# Altium PCB StratoChovy.PcbDoc (part 2 of 2)
Units mil, origin at the board's own origin, x right, y up, seen from the top; angles counter-clockwise.
Board outline 2600 x 7150 mil, 4 copper layers (Top Layer, Plane (GND), Plane (3V3), Bottom Layer), stack 53.912 mil thick; 152 components, 118 nets, 695 pads, 228 vias.
Unrouted connection lines stored in the file: 53.
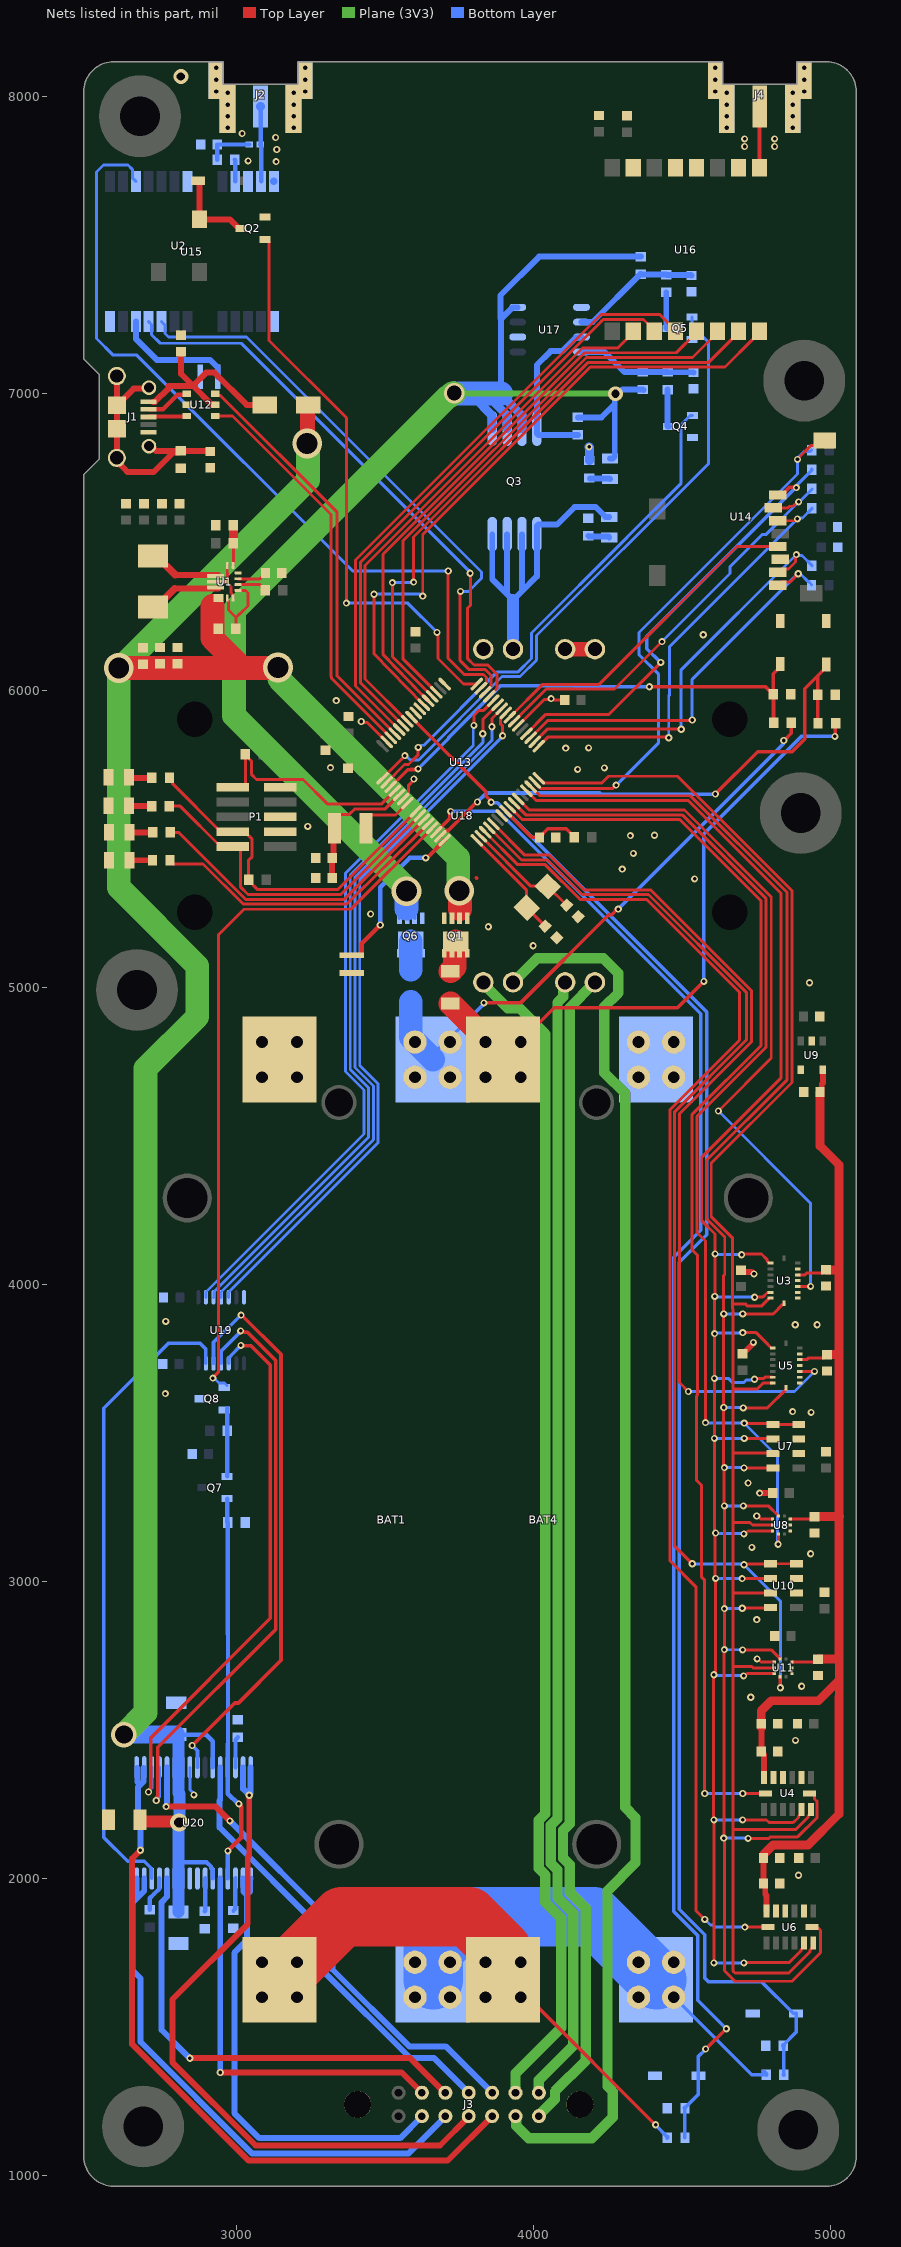
[diagram p4: the nets of this part, all layers, seen from the top]

## Via types
v1: diameter 24, hole 12, Top Layer to Bottom Layer, 184 vias
v2: diameter 27, hole 15, Top Layer to Bottom Layer, 28 vias
v3: diameter 100, hole 70, Top Layer to Bottom Layer, 7 vias
v4: diameter 32, hole 20, Top Layer to Bottom Layer, 3 vias
v5: diameter 50, hole 28, Top Layer to Bottom Layer, 3 vias
v6: diameter 60, hole 35, Top Layer to Bottom Layer, 1 vias
v7: diameter 85, hole 60, Top Layer to Bottom Layer, 1 vias
v8: diameter 70, hole 50, Top Layer to Bottom Layer, 1 vias

## Nets (pads, with @x,y where several pads share a name; then routed paths per layer and width w, separated by ;. In a path a pad name is that pad's centre, name@x,y a point inside that pad or via, vN(x,y) a via of type N, cw(c..) or ccw(c..) an arc to the next point about the centre after c; other vN are vias at no path point) (continued)
ADXL_1_CS: U4.7 U13.9 | length 4300.8
  Top Layer w10: U13.9@3919.42,5606.28 3960.7,5565 4491.16,5565 4765,5291.16 4765,4804.82 4533,4572.82 4533,4116.46 4550,4099.46 4550,3627.57 4547.75,3625.32 4547.75,3341.05 4564.94,3323.86 4564.94,3015.13 4575,3005.07 v1(4575,2287) ; v1(4703,2287) U4.7@4780.15,2287
  Bottom Layer w10: v1(4575,2287) v1(4703,2287)
ADXL_2_CS: U6.7 U13.3 | length 4569.2
  Top Layer w10: U13.3@3835.9,5522.76 3945.66,5413 4038.51,5413 4154.98,5296.53 4379.19,5296.53 4691.89,4983.83 4691.89,4822.22 4458,4588.33 4458,3070.1 4545,2983.1 4545,1893 v1(4575,1863) ; v1(4710,1837.03) U6.7@4788.09,1837.03
  Bottom Layer w10: v1(4575,1863) 4575.93,1863 4594.56,1844.37 4601.63,1844.37 4608.97,1837.03 v1(4710,1837.03)
ANT: J4.S1 U16.1 | length 206.9
  Top Layer w14.4: U16.1@4759.76,7759.02 J4.S1@4759.76,7965.85
ARM1: Q7.2 R32.2 U20.13 U20.20 | length 1317.6
  Top Layer w15: v1(2970.3,2094) 3015,2138.7 3015,2241.56 3007,2249.56 v1(3007,2252)
  Bottom Layer w15: Q7.2@2967.26,3279.2 2968.49,3277.97 2968.49,3200.23 R32.2@2969.72,3199 ; U20.20@2970.16,2000.99 2970.23,2001.06 2970.23,2093.93 v1(2970.3,2094) ; R32.2@2970.16,3198.56 2970.16,2822.23 2970.5,2821.89 2970.5,2455.34 2970.16,2455 U20.13@2970.16,2375.01 2970.16,2286.41 3004.56,2252 v1(3007,2252)
ARM_SQUIB: Q8.1 U13.61 | length 2425.6
  Top Layer w10: v1(2919.53,3685) 2919.53,3686.24 2938,3704.71 2938,5176.33 3024.67,5263 3384.05,5263 U13.61@3657.73,5536.68
  Bottom Layer w10: v1(2919.53,3685) 2923.32,3685 2940.14,3668.18 2958.51,3668.18 Q8.1@2966.77,3659.92
BAT_SNS_A: D2.2 R7.1 R8.2 U13.62 | length 5165.8
  Top Layer w12: U13.62@3671.65,5522.76 3717.7,5568.81 3717.7,5590.06 v1(3720,5592.36) ; v1@4579,1427 v1@4647,1495
  Top Layer w15: v1(4578,1427) v1@4579,1427 ; v1@4647,1495 v1(4648,1495)
  Bottom Layer w12: v1(3720,5592.36) 3880.64,5592.36 4562,4911 4562,4183 4471,4092 4471,1890 4551.81,1809.19 4551.81,1591.19 v1(4648,1495) ; R7.1@4508.53,1129 R8.2@4508.53,1227 ; R8.2@4508.53,1228.97 4553.89,1274.33 D2.2@4553.89,1337 4553.89,1402.32 v1@4578,1426.42
  Bottom Layer w15: R8.2@4508.53,1227 R8.2@4508.53,1228.97 ; v1@4578,1426.42 v1(4578,1427)
BAT_SNS_B: D1.2 R5.1 R6.2 U13.63 | length 1828.6
  Top Layer w10: U13.63@3670.26,5493.53 U13.63@3685.57,5508.84
  Top Layer w12: U13.63@3685.57,5508.84 3685.71,5508.84 3705,5528.14 3711.98,5528.14 3807.84,5624 v1(3810,5624) ; v1(4611,5651) 4753,5793 4869,5793 4912,5836 4912,6005.37 4955.43,6048.8 ; R5.1@4956.43,5889 4955.93,5889.5 4955.93,5984.5 R6.2@4955.43,5985 4955.43,6048.8 ; D1.2@4983.95,6087.17 4983.95,6077.32 4955.43,6048.8
  Bottom Layer w12: v1(3810,5624) 3840.36,5654.36 4222.12,5654.36 4226.77,5649.71 4609.71,5649.71 v1(4611,5651)
BMP_1_CS: U7.4 U7.5 U8.6 U13.10 | length 3658.8
  Top Layer w10: U13.10@3933.34,5620.2 3972.54,5581 4499.11,5581 4781.83,5298.28 4781.83,4799.03 4549,4566.19 4549,4174.97 4577.75,4146.22 v1(4577.75,3535) ; v1(4708,3533.36) 4709.87,3531.49 4802.82,3531.49 U7.5@4804.69,3529.61 U7.4@4891.31,3529.61 ; v1(4822.25,3126) 4823.18,3126.93 U8.6@4823.18,3160.49
  Bottom Layer w10: v1(4577.75,3535) 4578.57,3534.18 4707.18,3534.18 4820.25,3421.1 4820.25,3128 v1(4822.25,3126)
BMP_2_CS: U10.4 U10.5 U11.6 U13.4 | length 3996.9
  Top Layer w10: U13.4@3849.82,5536.68 3850.31,5536.68 3957.99,5429 4045.75,5429 4162.22,5312.53 4385.82,5312.53 4715,4983.35 4715,4822.7 4474,4581.7 4474,3119.21 v1(4533,3060.21) ; v1(4707.18,3057) 4708.78,3058.61 4795.34,3058.61 U10.5@4796.94,3060.21 U10.4@4883.56,3060.21 ; U11.6@4829.02,2679.98 4829.1,2679.9 4829.1,2643.46 v1(4829.56,2643)
  Bottom Layer w10: v1(4533,3060.21) 4534.61,3058.61 4705.57,3058.61 4829.56,2934.62 v1(4829.56,2643)
BUZZER: Q2.1 U13.32 | length 1943.3
  Top Layer w10: Q2.1@3094.53,7517.6 3101.42,7517.6 3108.23,7510.79 3108.23,7177.67 3369,6916.89 v1(3369,6293.33) ; v1(3674,6195) 3677.44,6191.56 3677.44,6107.17 3763.54,6021.08 U13.32@3808.06,6021.08
  Bottom Layer w10: v1(3369,6293.33) 3575.67,6293.33 v1(3674,6195)
COTS_DIS: Q5.1 U13.49 | length 2113.1
  Top Layer w10: U13.49@3490.7,5703.71 3490.7,5704.2 3566,5779.5 v1(3566,5780)
  Bottom Layer w10: v1(3566,5780) 3569.79,5780 3584.09,5765.69 3612.3,5765.69 3892.6,6046 3953.72,6046 4009,6101.28 4009,6184 4588.5,6763.5 4588.5,7170.79 4532.36,7226.93 Q5.1@4532.36,7255.66
COTS_EN: Q4.1 U13.50 | length 1722.2
  Top Layer w10: U13.50@3504.62,5689.79 3564.82,5750 3578.43,5750 3609.43,5781 3609.43,5806.43 v1(3611,5808)
  Bottom Layer w10: v1(3611,5808) 3614.79,5808 3621.79,5815 3629.94,5815 3876.94,6062 3947.09,6062 3992,6106.91 3992,6192.5 4312.88,6513.38 4312.88,6513.88 4495.94,6696.94 4495.94,6893.88 4527.46,6925.4 Q4.1@4534.35,6925.4
COTS_SENSE_A: D12.2 R38.1 R39.2 U13.41 | length 5321.4
  Top Layer w10: U13.41@3604.35,5892.65 U13.41@3604.35,5893.01
  Top Layer w12: U13.41@3588.5,5908.86 U13.41@3604.35,5893.01 ; U13.41@3604.35,5892.65 3839.5,5657.5 3839.5,5643.38 3856.28,5626.61 v1(3856.28,5623.36)
  Bottom Layer w12: v1(3856.28,5623.36) 3858.58,5621.06 3877.39,5621.06 4581.5,4916.96 4581.5,4167.5 4489,4075 4489,1897.46 4575,1811.46 4575,1666.03 4587.03,1654 4765.55,1654 4872.55,1547 D12.2@4882.39,1547 4882.39,1482.83 R39.2@4839.53,1439.97 ; R38.1@4840.51,1340.98 R39.2@4840.51,1437.02
  Bottom Layer w15: R39.2@4839.53,1439.97 R39.2@4839.53,1438 R39.2@4840.51,1437.02 ; R38.1@4840.51,1340.98 R38.1@4841.49,1340
COTS_SENSE_B: D11.2 R36.1 R37.2 U13.51 | length 1648.1
  Top Layer w12: U13.51@3518.54,5675.88 3575.66,5733 3585.47,5733 3585.76,5733.29 3608.06,5733.29 v1(3610.35,5735.59) ; v1(4389,6012) 4779.84,6012 4794.18,5997.66 4796.15,5997.66 R37.2@4805.9,5987.91 ; R36.1@4807.35,5890.95 4806.62,5891.67 4806.62,5985.22 R37.2@4805.9,5985.95 R37.2@4805.9,5987.91 ; D11.2@4828.95,6088.17 4828.95,6078.32 4805.9,6055.27 R37.2@4805.9,5987.91
  Bottom Layer w12: v1(3610.35,5735.59) 3713.47,5838.7 3713.47,5841.1 3887.64,6015.28 4135.06,6015.28 4138.34,6012 v1(4389,6012)
DROUGE_+: J3.2 U18.4 | length 3951.1
  Plane (3V3) w20: U18.4@3829.78,5012.71 U18.4@3829.78,5017
  Plane (3V3) w35: U18.4@3829.78,5012.71 3912.49,4930 3951.67,4930 4038.51,4843.16 4038.51,2219.26 4016.09,2196.85 4016.09,2035.16 4038.51,2012.74 4038.51,1920.53 4092,1867.03 4092,1498.81 3938.26,1345.07 J3.2@3938.26,1279.74
DROUGE_-: J3.13 U18.3 | length 4774.6
  Plane (3V3) w35: U18.3@3929.78,5017 4010.78,5098 4234,5098 4284,5048 4284,4981 4237.21,4934.21 4237.21,4713.17 4307,4643.37 4307,2241 4342,2206 4342,2054 4248,1960 4248,1302 4266,1284 4266,1197 4195,1126 3983,1126 3940.6,1168.4 3940.6,1198.66 J3.13@3938.26,1201
GND: BAT1.CELL1- BAT2.- BAT3.- BAT4.CELL1- C1.2 C2.2 C3.2 C4.2 C5.2 C6.2 C7.2 C8.2 C9.2 C10.2 C11.1 C12.2 C13.2 C14.2 C15.1 C16.2 C17.2 C18.2 C19.2 C20.2 C21.2 C22.2 C23.2 C24.2 C25.2 C26.2 C27.2 C28.1 C29.2 C30.1 C31.1 C32.1 C33.1 C34.1 C35.1 C36.1 C37.1 C38.2 C39.1 C40.2 C41.1 C42.2 C43.2 C44.2 C45.2 C46.2 C47.2 C48.2 C49.2 C50.2 C51.2 D1.1 D2.1 D3.1 D4.1 D5.1 D6.1 D11.1 D12.1 J1.5 J2.G1 J2.G2 J2.G3 J2.G4 J2.G5 J2.G6 J2.G7 J2.G8 J3.15 J4.G1 J4.G2 J4.G3 J4.G4 J4.G5 J4.G6 J4.G7 J4.G8 P1.3 P1.5 P1.9 Q1.4 Q2.2 Q4.2 Q5.2 Q6.4 Q8.3 R4.2 R6.1 R8.1 R13.2 R26.1 R29.1 R32.1 R33.2 R34.1 R35.2 R37.1 R39.1 U1.4 U1.6 U1.10 U1.15 U3.2 U3.4 U3.6 U3.7 U4.2 U4.4 U4.5 U5.2 U5.4 U5.6 U5.7 U6.2 U6.4 U6.5 U7.2 U7.3 U8.3 U8.8 U8.9 U9.2 U9.4 U10.2 U10.3 U11.3 U11.8 U11.9 U12.2 U13.7 U13.22 U13.33 U13.47 U13.54 U14.6 U15.7 U15.10 U15.12 U15.13 U15.24 U16.2 U16.4 U16.5 U16.7 U17.1 U17.6 U18.5 U19.7 U20.8 U20.24 U20.25 | length 955.9
  Top Layer w10: U1.10@2935.56,6365.44 U1.10@2964.54,6365.44 ; U1.6@2968.04,6420.55 2968.04,6394.71 2968.21,6394.54 2968.21,6369.11 U1.10@2964.54,6365.44 ; U1.15@2987.72,6310.32 2987.72,6316.85 2983.76,6320.81 2983.76,6325.67 2980.13,6329.3 2980.13,6349.84 U1.10@2964.54,6365.44 ; v1(3419,5895) 3421.68,5892.32 3438.5,5892.32 U13.47@3504.62,5826.21 ; U13.54@3560.3,5634.12 3560.3,5634.61 3578.59,5652.9 3578.59,5680.71 3596,5698.11 v1(3596,5701.49) ; U13.22@3947.26,5881.88 4034.7,5969.32 4055.32,5969.32 v1(4058,5972) 4061.79,5972 4066.79,5967 C38.2@4103.71,5967 ; v1(4750.31,3220.82) 4754.1,3220.82 4764.73,3210.19 U8.3@4803,3210.19 ; v1(4751.36,2740.02) 4753.79,2740.02 4764.13,2729.68 U11.3@4808.84,2729.68 ; U8.8@4863.04,3170.82 U8.8@4863.37,3170.82
  Top Layer w12: 3806.53,5368.53 3807.06,5368
  Top Layer w20: C13.2@4697,4048.56 4702.75,4042.81 4733.11,4042.81 4739.92,4036 v1(4741,4036) ; C18.2@4702.56,3767 4708.31,3772.75 4709.29,3772.75 4738.23,3801.69 4738.23,3804.23 v1(4739,3805) ; v1(4760,3298) 4760.25,3298.25 4804.19,3298.25 C19.2@4804.44,3298.51 ; C23.2@4962.56,4901.02 C23.2@4962.56,4902 C23.2@4963.05,4901.51
  Bottom Layer w10: U20.8@2842.2,2375.01 2842.2,2300.07 2856,2286.28 v1(2856,2282.49)
  Bottom Layer w25: U15.12@3124.92,7713 U15.12@3125,7712.92
  Bottom Layer w30: v1(4186,6819) 4187,6818 R26.1@4187,6773.53
  other v1: 4890.76,2011.57 4880.69,2465.82 4729.95,2610.82 4901.05,2648 4750.31,2872 4931.68,3093.82 4734,3115 4720.92,3332 4933.28,3569.74 4870.86,3572.02 2760,3633 4879.59,3864.5 4953.22,3864.63 2761,3876 4927.64,5015.56 3997.59,5140 3847,5204 3450.5,5247 4541,5365.2 4297.4,5398 4334.89,5450.82 4325,5511 4406,5512 3239.09,5541.92 4147.15,5733.9 4237.21,5738.82 3315.62,5740 4107.35,5805.25 4184.32,5806.05 3335,5965.4 4570,6187 3132.58,7779.44 3038.31,7782 3134.58,7820.17 4709.14,7830.09 4810.25,7830.09 4709.14,7856 4810.25,7856 3131,7860.42 3018,7874
  other v2: 2969.03,7892.61 3191.47,7892.61 4649.03,7892.61 4871.47,7892.61 2969.03,7931.98 3191.47,7931.98 4649.03,7931.98 4871.47,7931.98 2969.03,7971.35 3191.47,7971.35 4649.03,7971.35 4871.47,7971.35 2969.03,8010.72 3191.47,8010.72 4649.03,8010.72 4871.47,8010.72 2930.25,8015.25 3230.25,8015.25 4610.25,8015.25 4910.25,8015.25 2930.25,8055.25 3230.25,8055.25 4610.25,8055.25 4910.25,8055.25 2930.25,8095.25 3230.25,8095.25 4610.25,8095.25 4910.25,8095.25
  other v5: 2812,8066
GPS_RX: U13.29 U15.21 | length 1953.1
  Top Layer w10: v1(3785.54,6394.04) 3786.49,6393.09 3786.49,6285.82 3776,6275.33 3776,6107.63 3798.34,6085.29 3843.63,6085.29 3844.55,6084.37 3845.25,6084.37 3876,6053.63 3876,6005.99 3849.82,5979.81 U13.29@3849.82,5979.32
  Bottom Layer w10: U15.21@2703.66,7240.56 2713.39,7230.83 2713.39,7196.91 2742.3,7168 3015,7168 3785.54,6397.46 v1(3785.54,6394.04)
GPS_TX: U13.30 U15.20 | length 1976.7
  Top Layer w10: v1(3753,6332.9) 3752,6331.9 3752,6099.76 3782.46,6069.29 3837,6069.29 3856.28,6050.02 3856.28,6014.11 3835.9,5993.73 U13.30@3835.9,5993.24
  Bottom Layer w10: U15.20@2746.97,7240.56 2758.7,7228.83 2758.7,7200.42 2770.13,7189 3033,7189 3824,6398 3824,6376.88 3780.02,6332.9 v1(3753,6332.9)
GYRO_1_CS: U3.5 U13.11 | length 2545.2
  Top Layer w10: U13.11@3947.26,5634.12 3984.37,5597 4506.65,5597 4799,5304.65 4799,4762 v1(4621,4584) ; U3.5@4887.84,3993.31 4887.9,3993.38 v1(4931.33,3993.44) v1(4931.33,3993.44)
  Bottom Layer w10: v1(4621,4584) 4931.33,4273.67 v1(4931.33,3993.44)
GYRO_2_CS: U5.5 U13.5 | length 3065.6
  Top Layer w10: U13.5@3863.74,5550.6 3969.34,5445 4052.37,5445 4168.84,5328.53 4392.44,5328.53 4733,4987.97 4733,4818.07 4490,4575.07 4490,3670 v1(4520,3640) ; U5.5@4894.9,3707.63 v1(4944.57,3707.63)
  Bottom Layer w10: v1(4520,3640) 4876.94,3640 v1(4944.57,3707.63)
LED_1: R9.1 U13.60 | length 1040.7
  Top Layer w10: R9.1@2775.53,5428 2775.53,5426.03 2786.28,5415.28 2886.73,5415.28 3021.48,5280.53 3370.36,5280.53 3622.97,5529.27 3628.83,5535.12 U13.60@3643.55,5549.85
LED_2: R10.1 U13.59 | length 1036.5
  Top Layer w10: R10.1@2775.96,5521.51 2804.9,5521.51 3029.87,5296.53 3361.4,5296.53 U13.59@3614.22,5549.34
  Top Layer w12: U13.59@3614.22,5549.34 U13.59@3614.58,5549.34
LED_3: P1.2 R11.1 U13.58 | length 1128.9
  Top Layer w10: R11.1@2773.26,5610 2809.65,5610 P1.2@2945.65,5474 ; P1.2@3010.23,5465.43 3012.2,5465.43 3013.2,5464.43 3013.2,5337.46 3038.13,5312.53 3350.06,5312.53 U13.58@3600.73,5563.19
  Top Layer w12: P1.2@2945.65,5474 P1.2@2986,5474 3001.66,5474 P1.2@3010.23,5465.43
LED_4: P1.4 R12.1 R14.1 U13.57 | length 1196.6
  Top Layer w10: R12.1@2773.47,5705 2784.22,5694.25 2784.22,5685.42 2945.65,5524 P1.4@2986,5524 3026.35,5524 3051.92,5498.43 3051.92,5439.91 3039.94,5427.93 R14.1@3039.94,5362 3039.94,5360.03 3070.98,5329 3338.7,5329 U13.57@3602.06,5592.36
MAIN_+: J3.1 U18.2 | length 3837
  Plane (3V3) w20: U18.2@4105.37,5007.37 U18.2@4105.37,5017
  Plane (3V3) w35: J3.1@4017,1279.74 4017,1322 4133,1438 4133,1884.02 4079.51,1937.51 4079.51,2029.72 4057.09,2052.14 4057.09,2179.86 4079.51,2202.28 4079.51,4949.12 4098.88,4968.5 4098.88,5001.34 4104.91,5007.37 U18.2@4105.37,5007.37
MAIN_-: J3.14 U18.1 | length 3960.1
  Plane (3V3) w20: U18.1@4200,5017 U18.1@4205.37,5017
  Plane (3V3) w35: J3.14@4017,1201 4017,1203.2 4071.12,1257.32 4071.12,1284.12 4174,1387 4174,1901 4120.51,1954.49 4120.51,2046.7 4098.09,2069.12 4098.09,2162.88 4120.51,2185.3 4120.51,4932.14 4200,5011.63 U18.1@4200,5017
MISO: U3.10 U3.15 U4.12 U5.10 U5.15 U6.12 U7.6 U8.5 U10.6 U11.5 U13.13 | length 7004.3
  Top Layer w10: U13.13@3975.1,5661.96 4008.05,5629 4519.9,5629 4831,5317.9 4831,4694.41 4565,4428.41 4565,4214.75 4610,4169.75 v1(4610,4103) 4609.5,4102.5 4609.5,3960.5 4607.5,3958.5 v1@4607.5,3836.5 ; v1(4606,1717) v1(4606,2198) 4605,2199 4605,2685.5 v1(4606,2686.5) ; v1(4607.5,3482) 4607.5,3171.53 4612.25,3166.78 v1@4612.25,3164.49 ; v1@4607.75,3482.25 v1(4607.75,3684) 4608.38,3684.62 4608.38,3834.95 v1(4608.32,3835) ; v1@4610,2686.5 4611,2687.5 4611,3010.5 v1(4611.5,3011) 4610,3012.5 4610,3162.24 v1(4611.5,3163.74) ; v1(4699,4100) 4702.79,4100 4705.56,4102.78 4766.45,4102.78 4784.02,4085.2 4784.02,4080.26 U3.15@4792.15,4072.13 ; v1(4701,3010) 4701.5,3010.5 4796.44,3010.5 U10.6@4796.94,3011 ; v1(4702.58,2198) 4782.86,2198 4791.86,2189 4872.93,2189 4890.39,2206.47 4890.39,2210.21 4901.05,2220.87 U4.12@4901.05,2233.03 ; v1(4703,3838) 4748.43,3838 4775.32,3811.11 4775.32,3810.34 U5.15@4799.21,3786.45 ; v1(4706,2683) 4709.79,2683 4717.1,2690.32 U11.5@4808.84,2690.32 ; v1(4706.8,3160.49) 4710.59,3160.49 4720.92,3170.82 U8.5@4803,3170.82 ; v1(4707,1717) 4708,1718 4859.84,1718 4898.34,1756.49 4898.34,1760.24 4908.99,1770.89 U6.12@4908.99,1783.06 ; v1(4708,3482) 4708.8,3481.2 4803.89,3481.2 U7.6@4804.69,3480.4 ; v1(4742.68,3681.32) 4745.36,3684 4765.16,3684 4765.42,3684.26 4774.87,3684.26 4778.56,3687.94 U5.10@4803.56,3687.94 ; v1(4743,3957) 4743.27,3957.27 4770,3957.27 4786.28,3973.55 4796.42,3973.55 U3.10@4796.5,3973.63
  Bottom Layer w10: v1(4606,1717) v1(4707,1717) ; v1(4606,2198) v1(4702.58,2198) ; v1(4606,2686.5) 4607.75,2684.75 4704.25,2684.75 v1(4706,2683) ; v1(4607.5,3482) v1(4708,3482) ; v1(4607.75,3684) 4608.01,3684.26 4654.41,3684.26 4667.67,3671 4707.54,3671 4715.68,3679.14 4740.5,3679.14 v1(4742.68,3681.32) ; v1(4608.32,3835) 4609.82,3836.5 4701.5,3836.5 v1(4703,3838) ; v1(4609,3960) 4610.5,3958.5 4741.5,3958.5 v1(4743,3957) ; v1(4610,4103) 4611.5,4101.5 4697.5,4101.5 v1(4699,4100) ; v1(4611.5,3011) 4612,3010.5 4700.5,3010.5 v1(4701,3010) ; v1(4611.5,3163.74) 4613.13,3162.12 4705.17,3162.12 v1(4706.8,3160.49)
MOSI: U3.9 U4.13 U5.9 U6.13 U7.7 U8.4 U10.7 U11.4 U13.16 | length 6240.8
  Top Layer w10: U13.16@4016.85,5703.71 4017.69,5703.71 4033,5688.4 4229.21,5688.4 4251.52,5710.71 4483.45,5710.71 4868.55,5325.61 4868.55,4680.29 4597,4408.75 4597,4228 4669,4156 4669,3935 ; 4673,3199 4727,3199 4735.49,3190.51 U8.4@4803,3190.51 ; U3.9@4792.15,3953.87 4765.28,3927 4719.43,3927 4711.43,3935 4669,3935 ; U10.7@4796.94,2961.79 4796.16,2961 4671,2961 ; U5.9@4803.56,3668.26 4772.05,3668.26 4752.79,3649 4671,3649 ; U7.7@4804.69,3431.19 4802.88,3433 4671,3433 ; U11.4@4808.84,2710 4737.6,2710 4733.6,2714 4671,2714 ; U4.13@4932.54,2233.03 4932.54,2220.87 4921.89,2210.21 4921.89,2206.47 4881.42,2166 4671,2166 ; U6.13@4940.49,1783.06 4940.49,1770.89 4929.83,1760.24 4929.83,1754.84 4857.99,1683 4676.86,1683 4671,1688.86 4671,2166 ; 4669,3935 4669,3918.58 4671,3916.58 4671,3649 ; 4671,2166 4671,2714 ; 4671,2714 4671,2961 ; 4671,2961 4671,3199 4671,3433 ; 4671,3433 4671,3649
NetB1_2: B1.2 C35.2 U13.8 | length 292
  Top Layer w12: U13.8@3905.5,5592.36 3992.19,5505.67 4018.24,5505.67 C35.2@4018.91,5505 4018.91,5505.98 4046.66,5533.73 4109.01,5533.73 4135.78,5506.97 B1.2@4135.78,5505
NetBAT2_+: BAT2.+ U15.22 | length 404.7
  Bottom Layer w20: U15.22@2660.35,7240.56 2660.35,7182.65 2730.66,7112.34 2909.84,7112.34 2936,7086.18 BAT2.+@2936,7055
NetC8_1: C8.1 U1.3 | length 100.5
  Top Layer w10: U1.3@3004.46,6375.28 3078.55,6375.28 3096.56,6393.28 C8.1@3096.56,6394.27
NetC30_2: C30.2 J1.SHIELD R13.1 | length 891.4
  Top Layer w20: J1.SHIELD@2596.38,7057.73 J1.SHIELD@2596.38,6959.31 ; J1.SHIELD@2704.65,6821.51 2712.55,6821.51 2728.24,6805.82 R13.1@2809.54,6805.82 ; J1.SHIELD@2704.65,7018.36 2701.28,7015 2653.05,7015 2597.36,6959.31 J1.SHIELD@2596.38,6959.31 ; C30.2@2910.76,6803.8 2909.75,6804.81 2812.51,6804.81 R13.1@2811.5,6805.82 2805.76,6800.07 2786.09,6800.07 2720.02,6734 2633,6734 2629,6738 2629,6738.42 2596.38,6771.04 J1.SHIELD@2596.38,6782.14 J1.SHIELD@2596.38,6880.57 J1.SHIELD@2596.38,6959.31
NetC32_2: C32.2 U13.1 X1.2 | length 383.9
  Top Layer w10: U13.1@3808.06,5494.92 3974.62,5328.37 3974.62,5269.84 X1.2@3976.01,5268.45 ; X1.2@3976.01,5268.34 C32.2@4038.12,5206.23
NetC34_2: C34.2 U13.2 X1.1 | length 386.9
  Top Layer w10: U13.2@3818.45,5508.45 3821.91,5508.45 3989.53,5340.83 4045.61,5340.83 X1.1@4047,5339.44 C34.2@4109.46,5276.97
NetC41_2: C41.2 L3.1 R22.2 | length 158
  Bottom Layer w15: R22.2@2934.47,7785 R22.2@2934.47,7785 2934.52,7836.96 C41.2@2934.56,7837 ; C41.2@2936,7837 L3.1@3041.97,7837
NetC44_1: C44.1 R24.1 R27.2 U17.4 | length 406.5
  Bottom Layer w20: U17.4@4160.28,7139 4237,7139 4304.71,7071.29 4449.76,7071.29 R27.2@4450,7071.05 4450.75,7070.31 4537.25,7070.31 C44.1@4538,7069.56
NetC45_1: C45.1 R25.1 R28.2 U17.2 | length 441.5
  Bottom Layer w20: U17.2@4160.28,7239 4160.98,7239.69 4197.29,7239.69 4358.07,7400.47 R25.1@4360.04,7400.47 4360.88,7399.63 4444.81,7399.63 R28.2@4445.65,7398.79 4446.92,7397.53 4529.39,7397.53 C45.1@4530.65,7396.26 ; R25.1@4357.7,7399.53 4359.67,7399.53 R25.1@4360.04,7399.16
NetD3_2: D3.2 R9.2 | length 78
  Top Layer w20: D3.2@2638.45,5428 R9.2@2716.47,5428
NetD4_2: D4.2 R10.2 | length 82
  Top Layer w12: D4.2@2638.45,5522 D4.2@2638.94,5521.51 ; D4.2@2638.9,5521.51 D4.2@2641.28,5519.12
  Top Layer w20: D4.2@2638.94,5521.51 R10.2@2716.9,5521.51
NetD5_2: D5.2 R11.2 | length 84.1
  Top Layer w10: R11.2@2709.61,5614.59 R11.2@2714.2,5610
  Top Layer w12: D5.2@2637.45,5612 D5.2@2639.45,5610
  Top Layer w20: D5.2@2639.45,5610 R11.2@2714.2,5610
NetD6_2: D6.2 R12.2 | length 78.7
  Top Layer w12: D6.2@2637.28,5707.39 D6.2@2639.67,5705 ; D6.2@2637.73,5707.39 D6.2@2638.12,5707.77
  Top Layer w20: D6.2@2639.67,5705 R12.2@2714.42,5705
NetD7_1: D7.1 Q2.3 U2.2 | length 283.4
  Top Layer w20: D7.1@2870.34,7714.68 2870.39,7714.68 2874.17,7710.9 U2.2@2874.17,7585 2976.93,7585 3006.93,7555 Q2.3@3013.82,7555
NetD9_2: D9.2 R26.2 | length 68.3
  Bottom Layer w20: R26.2@4188.69,6712.79 4254.63,6712.79 D9.2@4256.32,6711.1
NetD10_1: D10.1 Q3.5 Q3.6 Q3.7 Q3.8 U18.6 | length 1373.8
  Bottom Layer w20: Q3.8@3860,6524.85 3860,6373.2 3910,6323.2 ; Q3.7@3910,6524.85 3910,6323.2 ; Q3.6@3960,6524.85 3960,6333.65 ; D10.1@4241.5,6583.45 4207.95,6617 4137.4,6617 4078.56,6558.16 4015.31,6558.16 4010,6552.85 Q3.5@4010,6524.85 4010,6383.65 3960,6333.65 ; D10.1@4242.87,6583.45 D10.1@4253.7,6583.45 ; 3910,6323.2 3929.78,6303.43 3960,6333.65
  Bottom Layer w40: U18.6@3929.78,6138.29 3929.78,6303.43
NetD10_2: D10.2 R29.2 | length 72.3
  Bottom Layer w20: R29.2@4183.7,6520.02 4186.43,6517.29 4250.96,6517.29 D10.2@4253.7,6514.55